# Altium PCB Theremin_Chafla-Jonathan.PcbDoc
Units mm, origin at the board's own origin, x right, y up, seen from the top; angles counter-clockwise.
Board outline 155 x 95 mm, 2 copper layers (Top Layer, Bottom Layer), stack 1.586 mm thick; 80 components, 58 nets, 312 pads, 159 vias.
Unrouted connection lines stored in the file: 2.
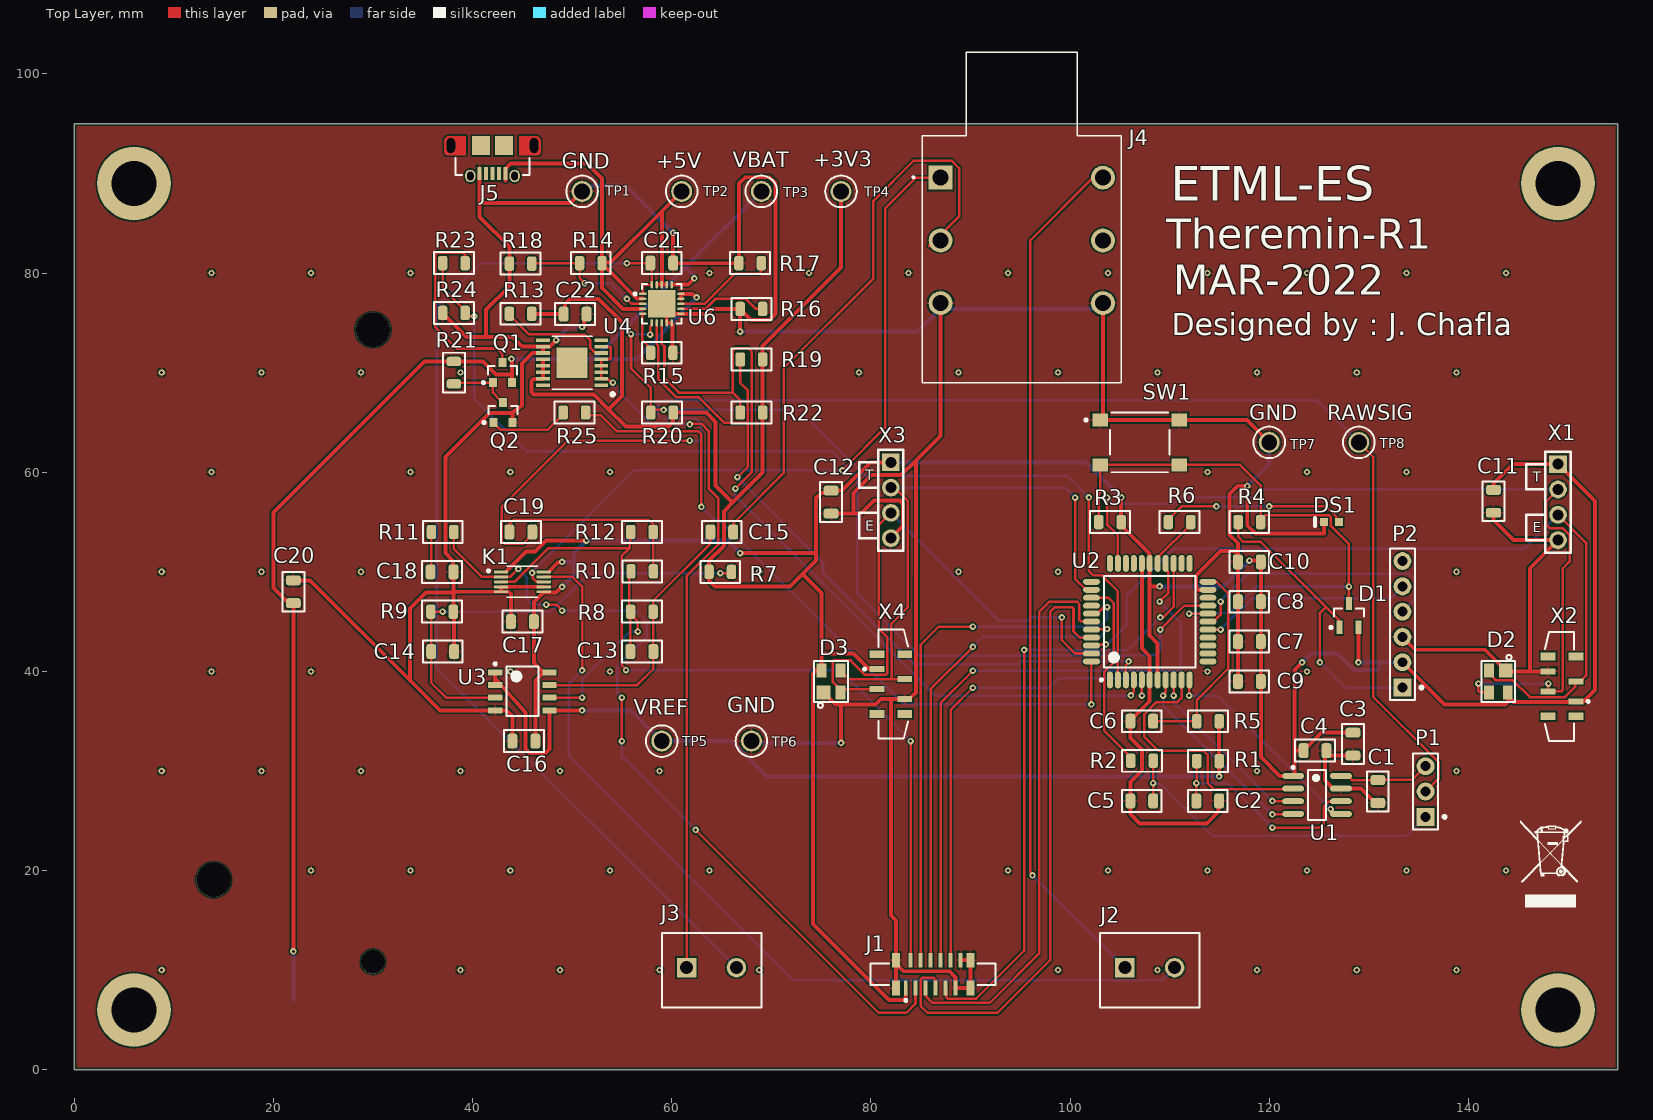
[diagram p0: Top Layer view]
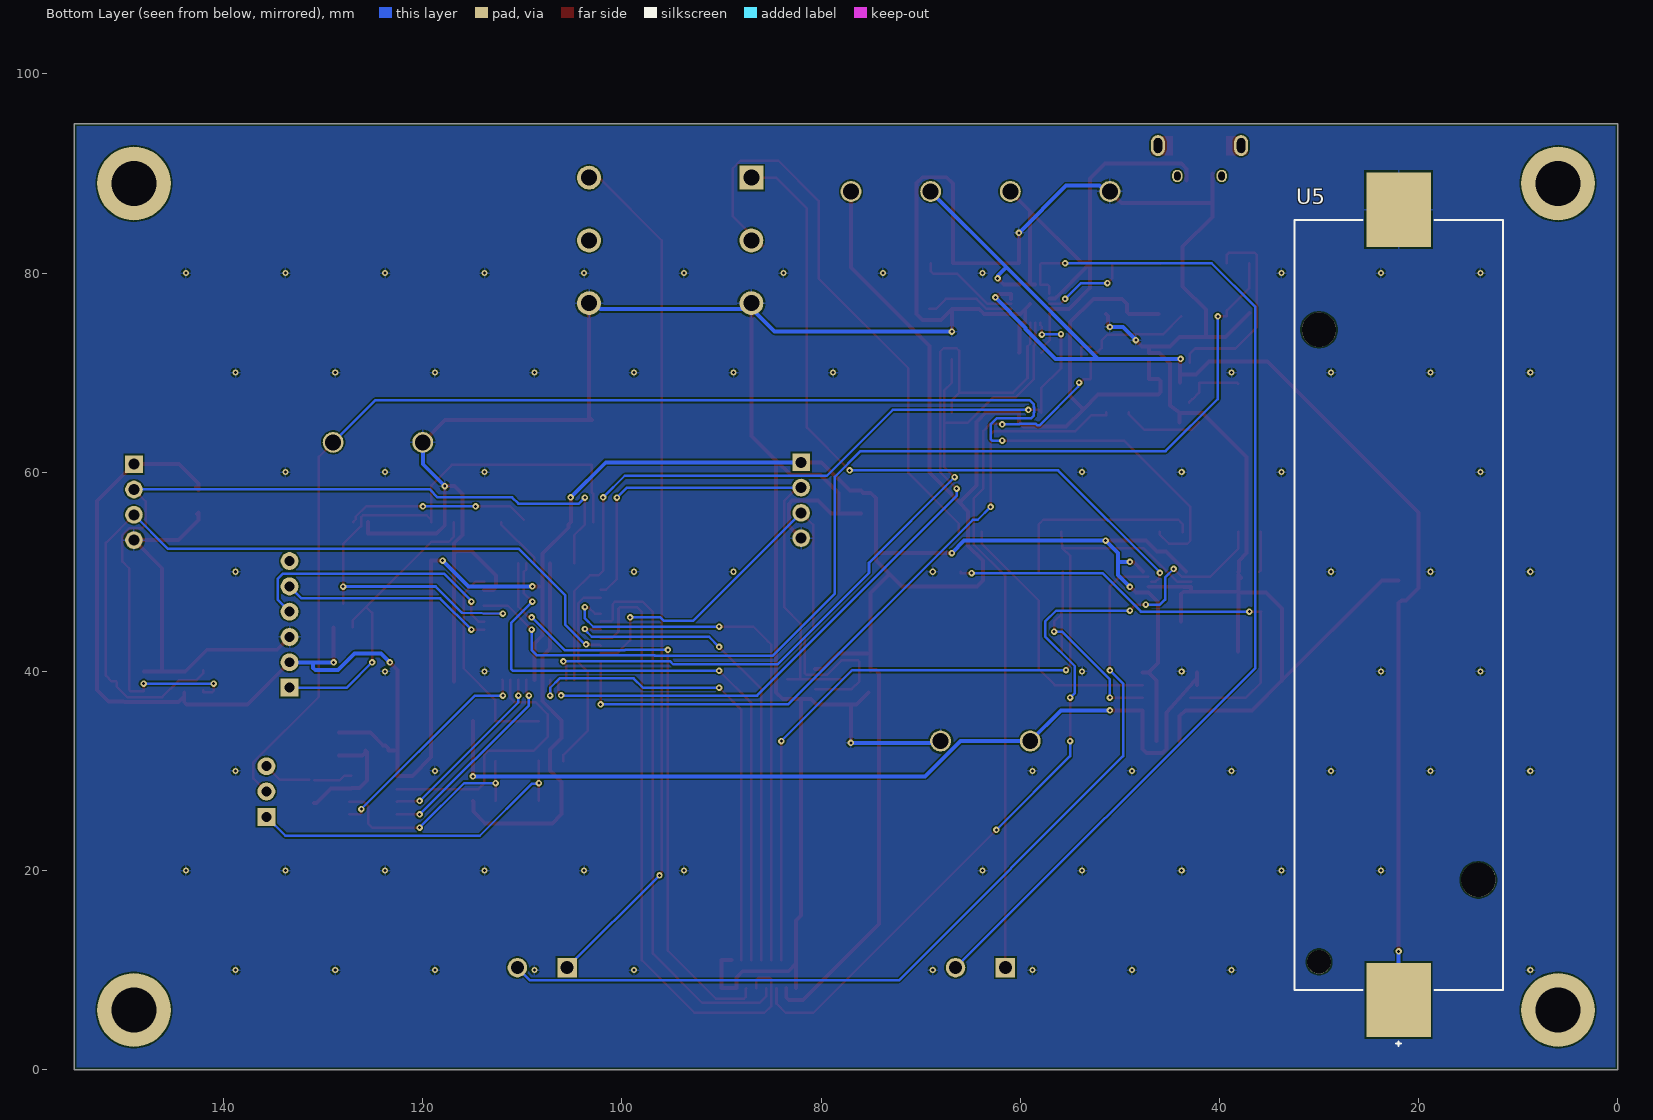
[diagram p1: Bottom Layer view, seen from below]
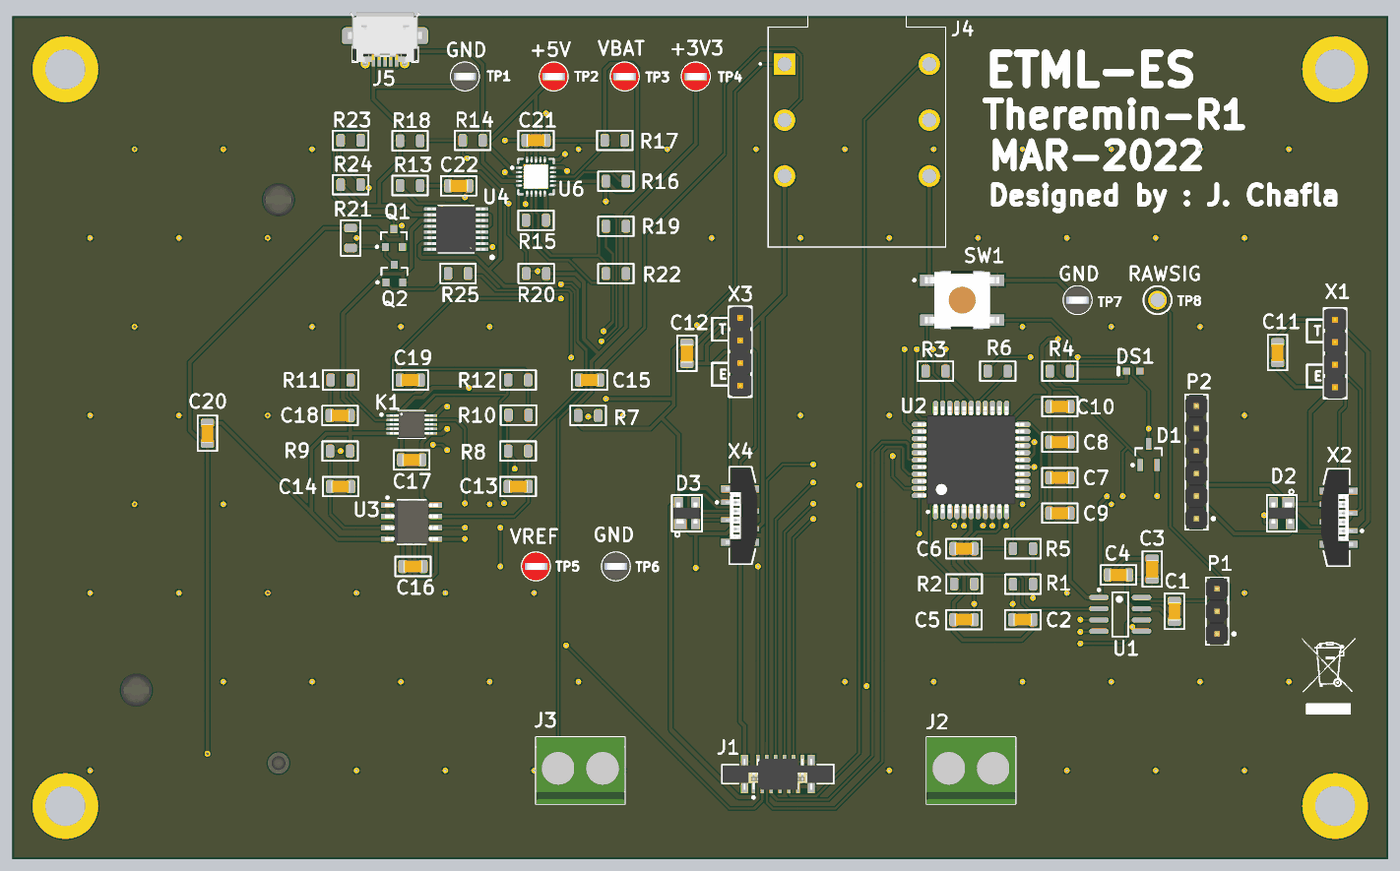
[diagram p2: 3D render of the assembled board from above, using the file's embedded part models]

## Layer stack, top to bottom
Top Solder: solder mask 0.0102, Solder Resist, Dk 3.5
Top Layer: signal copper 0.018
Dielectric1: core 1.55, FR-4, Dk 4.8
Bottom Layer: signal copper 0.018
Bottom Solder: solder mask 0.0102, Solder Resist, Dk 3.5

## Board outline
0,0 155,0 155,95 0,95

## Design rules (kind name [scope] priority, off if disabled: settings)
BoardOutlineClearance [All] p1: gap=0.25 ignorepadtopadclearanceinfootprint=FALSE except(0: Arc-SplitContinuation Track-SplitContinuation SMDPad-SplitContinuation THPad-SplitContinuation Via-SplitContinuation Fill-SplitContinuation Poly-SplitContinuation Region-SplitContinuation Text-SplitContinuation)
Clearance "Stitching No Net" [IsStitchingVia and InNet('No Net') vs (IsVia and (Not IsStitchingVia)) Or IsPad] p1: gap=0.127 ignorepadtopadclearanceinfootprint=FALSE
Clearance [All] p2: gap=0.152 ignorepadtopadclearanceinfootprint=FALSE
ComponentClearance [All] p1: gap=0.25 collisioncheckmode=3 verticalgap=0.25 showdistances=FALSE
DiffPairsRouting [All] p1: maxlimit=0.25 minlimit=0.152 mostfreqgap=0.25 toplayer_minwidth=0.381 toplayer_maxwidth=0.381 toplayer_prefwidth=0.381 bottomlayer_minwidth=0.381 bottomlayer_maxwidth=0.381 bottomlayer_prefwidth=0.381 maxuncoupledlength=12.5
Height [All] p1: minheight=0 maxheight=25 prefheight=12.5
HoleSize HoleSize-PTH [All] p1: absolutevalues=TRUE maxlimit=10 minlimit=0.25 maxpercent=80.000 minpercent=20.000
HoleToHoleClearance [All] p1: gap=0.35 allowstackedmicrovias=TRUE
MinimumAnnularRing "Minimum IAR  >0.45mm" [((ObjectKind = 'Pad') OR (ObjectKind = 'Via')) And (Layer = 'MultiLayer') And (HoleDiameter > AsMM(0.45))] p1: minimumring=0.175 // minimum inner annular ring for pads > 0.45mm finished hole size
MinimumAnnularRing "Minimum IAR <=0.45mm" [((ObjectKind = 'Pad') OR (ObjectKind = 'Via')) And (Layer = 'MultiLayer') And (HoleDiameter <= AsMM(0.45))] p2: minimumring=0.175 // minimum inner annular ring for pads <= 0.45mm finished hole size
MinimumSolderMaskSliver [All] p1: minsoldermaskwidth=0.08
PasteMaskExpansion [All] p1: expansion=-0.025
PlaneClearance PlaneClearance-IPI [All] p1: clearance=0.25
PlaneConnect [All] p1: planeconnectstyle=Relief reliefexpansion=0.175 reliefentries=4 reliefconductorwidth=0.2 reliefairgap=0.2
PolygonConnect PolygonConnect-xTW [All] p1: connectstyle=Relief reliefconductorwidth=0.2 reliefentries=4 polygonreliefangle="90 Angle" airgapwidth=0.2
RoutingCorners [All] p1: cornerstyle=45-Degree minsetback=2.5 maxsetback=2.5
RoutingTopology [All] p1: topology=Horizontal
RoutingVias [All] p1: holewidth=0.711 width=1.27 viastyle="Through Hole" minholewidth=0.711 minwidth=1.27 maxholewidth=0.711 maxwidth=1.27
SilkToSilkClearance [All] p1: silktosilkclearance=0.2
SilkToSolderMaskClearance SilkscreenOverComponentPads [IsPad] p1: minsilkscreentomaskgap=0.2 clearancetoexposedcopper=TRUE
SolderMaskExpansion [All] p1: expansion=0 istentingtop=FALSE
UnRoutedNet [All] p1: checkbadconnections=TRUE
Width Width-VREF [InNet('VREF_1V65')] p1: maxlimit=0.4 minlimit=0.4 preferedwidth=0.4 minimp=50.000000 maximp=50.000000 favimp=50.000000
Width Width-VBAT [InNet('VBAT')] p2: maxlimit=0.4 minlimit=0.4 preferedwidth=0.4 minimp=50.000000 maximp=50.000000 favimp=50.000000
Width Width-3V3 [InNet('3V3')] p3: maxlimit=0.4 minlimit=0.4 preferedwidth=0.4 minimp=50.000000 maximp=50.000000 favimp=50.000000
Width Width-GND [InNet('GND')] p4: maxlimit=0.4 minlimit=0.4 preferedwidth=0.4 minimp=50.000000 maximp=50.000000 favimp=50.000000
Width Width-POWER [InNet('+5V')] p5: maxlimit=0.4 minlimit=0.4 preferedwidth=0.4 minimp=50.000000 maximp=50.000000 favimp=50.000000
16 further rules are at their usual default settings.

## Classes and differential pairs
component class "Power Supply": +3V3 +5V C20 C21 C22 GND J5 Q1 Q2 R13 R14 R15 R16 R17 R18 R19 R20 R21 R22 R23 R24 R25 U4 U5 U6 VBAT
component class Interfaces: J1 J2 J3
component class "Distance sensors": C11 C12 D2 D3 X1 X2 X3 X4
component class Central_Unit: C1 C2 C3 C4 C5 C6 C7 C8 C9 C10 D1 DS1 GND P1 P2 R1 R2 R3 R4 R5 R6 RAWSIG SW1 U1 U2
component class "Audio processing": C13 C14 C15 C16 C17 C18 C19 GND J4 K1 R7 R8 R9 R10 R11 R12 U3 VREF

## Components (designator, comment, footprint, x,y, rotation, side; value= is the part's Value field where it differs from the comment)
+3V3 "5010" KSTN-5010_V 77,88.2 r0 top locked (schematic designator 1)
+5V "5010" KSTN-5010_V 61,88.2 r0 top locked (schematic designator +1)
C1 "1uF" CAPC0805 130.9,27.94 r270 top
C2 "100nF / 50V" CAPC0805 113.825,27 r0 top
C3 "10uF" CAPC0805 128.4,32.7 r270 top
C4 "100nF" CAPC0805 124.6,32.042 r0 top
C5 "100nF / 50V" CAPC0805 107.2,27 r180 top
C6 "100nF / 50V" CAPC0805 107.2,35 r180 top
C7 "100nF / 50V" CAPC0805 118,43 r180 top
C8 "10uF / 50V" CAPC0805 118,47 r180 top
C9 "100nF / 50V" CAPC0805 118,39 r180 top
C10 "10uF / 50V" CAPC0805 118,51 r180 top
C11 "100nF / 50V" CAPC0805 142.519,57.085 r90 top
C12 "100nF / 50V" CAPC0805 76,57 r90 top
C13 "470pF / 16V" CAPC0805 57,42 r180 top
C14 "330nF / 16V" CAPC0805 37,42 r180 top
C15 "1uF / 16V" CAPC0805 65.025,54 r180 top
C16 "100nF / 50V" CAPC0805 45.15,33 r0 top
C17 "1uF / 16V" CAPC0805 45,45 r0 top
C18 "1uF / 16V" CAPC0805 36.934,50 r180 top
C19 "1uF / 16V" CAPC0805 44.85,54 r0 top
C20 "4.7uF / 50V" CAPC0805 22,48 r270 top
C21 "Cap" CAPC0805 59,81 r180 top value=4.7uF
C22 "Cap" CAPC0805 50.3,75.882 r180 top value=6.8uF
D1 "BAS40-06" INF-SOT23_M 128,45.62 r90 top
D2 "8240136" SOT143-4L 143,39 r270 top
D3 "8240136" SOT143-4L 76,39 r90 top
DS1 "HSMH-C190" AVAG-HSMX-C190_V 126.25,55 r180 top
GND "5011" KSTN-5011_V 51,88.2 r0 top locked (schematic designator GND3)
GND "5011" KSTN-5011_V 120,63 r180 top (schematic designator GND2)
GND "5011" KSTN-5011_V 68,33.006 r0 top (schematic designator GND1)
J1 "687312124422" 687312124422 86.25,9.6 r0 top
J2 "691137710002" 691137710002 108,10 r0 top
J3 "691137710002" 691137710002 64,10 r0 top
J4 "SJ-63073E" CUI_SJ-63073E 95.15,89.579 r270 top
J5 "629105150921" 629105150921 42,92.805 r180 top
K1 "MAX9700" SOP50P490X110-10N 45,49 r0 top
P1 "Header 3" PIN-1x03_2.54 135.7,25.4 r90 top
P2 "Header 6" PIN-1x06_2.54 133.375,38.38 r90 top
Q1 "NVR1P02T1G" ONSC-SOT-23-3-318-08_V 43,70 r90 top
Q2 "BSS138LT1G" ONSC-SOT-23-3-318-08_V 43.05,66 r90 top
R1 "10k" RESC0805 113.85,31 r0 top
R2 "2k" RESC0805 107.225,31.026 r180 top
R3 "47k" RESC0805 104,55 r180 top
R4 "10k" RESC0805 118,55 r180 top
R5 "10k" RESC0805 113.85,35 r0 top
R6 "100" RESC0805 111,55 r180 top
R7 "120K" RESC0805 64.875,50 r180 top
R8 "33k" RESC0805 57,46 r180 top
R9 "120K" RESC0805 36.938,46 r180 top
R10 "120K" RESC0805 57.035,50.05 r0 top
R11 "22K" RESC0805 37,54 r180 top
R12 "22K" RESC0805 57,54 r0 top
R13 "VALUE" RESC0805 44.825,75.915 r0 top value=47k
R14 "VALUE" RESC0805 51.875,81 r0 top value=10k
R15 "VALUE" RESC0805 59,72 r180 top value=10k
R16 "VALUE" RESC0805 68,76.4 r0 top value=6.2k
R17 "VALUE" RESC0805 67.875,81 r0 top value=2k
R18 "VALUE" RESC0805 44.825,80.95 r0 top value=0R
R19 "VALUE" RESC0805 68,71.325 r0 top value=47k
R20 "VALUE" RESC0805 59.025,66 r0 top value=47k
R21 "VALUE" RESC0805 38.125,70 r270 top value=47k
R22 "VALUE" RESC0805 68,66 r0 top value=47k
R23 "VALUE" RESC0805 38.125,81 r0 top value=47k
R24 "VALUE" RESC0805 38.125,76 r0 top value=47k
R25 "VALUE" RESC0805 50.225,66 r180 top value=100R
RAWSIG "5012" KSTN-5012_V 129,63 r180 top (schematic designator RAWSIG1)
SW1 "PTS645SM43SMTR92LFS" FP-PTS645SM43SMTR92LFS-MFG 107,63 r0 top
U1 "MCP4901-E/SN" SOIC-SN8_N 124.8,27.6 r0 top
U2 "PIC18F4550-I/PT" TQFP80P1200X1200X120-44M 108,45 r90 top
U3 "LM6132BIM" D0008A_N 45,38 r0 top
U4 "MAX1793EUE33+" 21-0108_U16E+3_MXM 50,71 r180 top
U5 "Support Pile 18650" FP-1042P-MFG 22,46.688 r270 bottom
U6 "MCP73871T-2CCI/ML" FP-C04-126-IPC_C 59,76.914 r0 top
VBAT "5010" KSTN-5010_V 69,88.2 r0 top locked (schematic designator VBAT1)
VREF "5010" KSTN-5010_V 59,33.006 r0 top (schematic designator VREF1)
X1 "Header 4" "Connnector Berg 4P" 149,57 r0 top locked
X2 "686104183822" 686104183822 149.4,38.5 r90 top
X3 "Header 4" "Connnector Berg 4P" 82,57.19 r0 top locked
X4 "686104183822" 686104183822 82,38.725 r270 top

## Footprints (in the part's own frame and the unit in brackets; to place one, negate y for a bottom-side part, rotate by r counter-clockwise, add the part's x,y. Pads: shape width x height; smd on the part's side, far side on the other; paste and mask are expansions set on the pad)
21-0108_U16E+3_MXM [mil]
  rect 53.5x14 smd paste+0 mask+0: 1(-115.25,89.57) 2(-115.25,63.98) 3(-115.25,38.38) 4(-115.25,12.79) 5(-115.25,-12.8) 6(-115.25,-38.39) 7(-115.25,-63.98) 8(-115.25,-89.57) 9(115.25,-89.57) 10(115.25,-63.98) 11(115.25,-38.39) 12(115.25,-12.8) 13(115.25,12.79) 14(115.25,38.38) 15(115.25,63.97) 16(115.25,89.57)
  rect 122x122 smd paste-60.5 mask+0: EPAD(0,0)
  silkscreen extent -165,-106 79,130, body extent -128,-101 128,101, height 43
629105150921 [mm] "Micro USB 2.0 Type AB Horizontal"
  rect 0.4x1.35 smd: 1(-1.3,2.805) 2(-0.65,2.805) 3(0,2.805) 4(0.65,2.805) 5(1.3,2.805)
  round 0 / inner oval 1.4x2.1 / far side oval 1.4x2.1 hole 0.825 slot 1.5 at 90 deg mask+0.102: Shell(-4.175,0)
  oval 1.05x1.25 hole 0.65 slot 0.85 at 90 deg: Shell(-2.225,3.055) Shell(2.225,3.055)
  rect 1.8x1.9 smd: Shell(-1.15,0) Shell(1.15,0)
  round 0 / inner round 0 / far side oval 1.4x2.1 hole 0.825 slot 1.5 at 90 deg mask+0.102: Shell(4.175,0)
  Top Layer region: 4.353,-0.95 4.544,-0.912 4.706,-0.804 4.814,-0.641 4.852,-0.45 4.852,-0.45 4.852,0.65 4.83,0.765 4.765,0.862 4.667,0.927 4.553,0.95 4.553,0.95 2.668,0.95 2.668,-0.95
  Top Layer region: -4.353,-0.95 -4.544,-0.912 -4.706,-0.804 -4.814,-0.641 -4.852,-0.45 -4.852,-0.45 -4.852,0.65 -4.83,0.765 -4.765,0.862 -4.667,0.927 -4.553,0.95 -4.553,0.95 -2.668,0.95 -2.668,-0.95
  silkscreen extent -3.7,1.25 3.7,2.97, body extent -4.3,-2.64 4.3,3.23, height 2.76
686104183822 [mm] "ZIF Connectors, Vertical, Type A, pitch 1mm, 4p"
  rect 0.6x1.5 smd: 1(-1.5,-1.4) 2(-0.5,1.4) 3(0.5,-1.4) 4(1.5,1.4)
  rect 0.8x1.5 smd: MP1(-3,-1.4) MP2(-3,1.4) MP3(3,1.4) MP4(3,-1.4)
  silkscreen extent -5.48,-2.75 5.47,1.71, body extent -5.4,-1.65 5.4,1.95, height 4
687312124422 [mm] "ZIF Connectors, Vertical, Type A, pitch 0.5mm, 12p"
  rect 0.4x1.5 smd: 1(-2.75,-1.4) 2(-2.25,1.4) 3(-1.75,-1.4) 4(-1.25,1.4) 5(-0.75,-1.4) 6(-0.25,1.4) 7(0.25,-1.4) 8(0.75,1.4) 9(1.25,-1.4) 10(1.75,1.4) 11(2.25,-1.4) 12(2.75,1.4)
  rect 0.8x1.5 smd: MP1(-3.75,-1.4) MP2(-3.75,1.4) MP3(3.75,-1.4) MP4(3.75,1.4)
  silkscreen extent -6.27,-2.75 6.27,1.08, body extent -6.2,-1.75 6.2,1.75, height 4.92
691137710002 [mm] "Horizontal Cable Entry with Pressure Clamp, pitch 5mm, 02p"
  rect 1.95x1.95 hole 1.3: 1(-2.5,0.25)
  round 1.95 hole 1.3: 2(2.5,0.25)
  silkscreen extent -5,-3.75 5,3.75, body extent -5,-3.75 5,3.75, height 11.6
AVAG-HSMX-C190_V [mm] "SMD, 2-Leads, Body 1.6x0.8mm, Height 0.9mm"
  rect 0.8x0.8 smd: 1(-0.75,0) 2(0.75,0)
  silkscreen extent 1.65,-0.4 1.65,0.4, body extent -0.8,-0.4 0.8,0.4, height 0.9
CAPC0805 [mm] "Chip Capacitor, 2-Leads, Body 2.00x1.25mm, IPC Low Density"
  rrect50% 1x1.5 smd: 1(-1.15,0) 2(1.15,0)
  silkscreen extent -2,-1.1 2,1.1, body extent -1.05,-0.67 1.05,0.68, height 0.6
"Connnector Berg 4P" [mil]
  rect 70x70 hole 43.31: 1(0,150)
  round 70 hole 43.31: 2(0,50) 3(0,-50) 4(0,-150)
  silkscreen extent -125,-200 50,200, body extent -50,-200 50,200, height 338
CUI_SJ-63073E [mm]
  rect 2.4x2.4 hole 1.6: 1(0,-8.15)
  round 2.4 hole 1.6: 2(12.6,-8.15) 3(6.3,-8.15) 4(0,8.15) 5(12.6,8.15) 6(6.3,8.15)
  silkscreen extent -12.6,-10.98 20.6,10, body extent -12.54,-10.16 20.66,9.84, height 15.71
D0008A_N [mm] "SOIC, 8-Leads, Body 5x4mm, Pitch 1.27mm, IPC Medium Density"
  rrect17% 1.45x0.6 smd: 1(-2.725,1.905) 2(-2.725,0.635) 3(-2.725,-0.635) 4(-2.725,-1.905) 5(2.725,-1.905) 6(2.725,-0.635) 7(2.725,0.635) 8(2.725,1.905)
  silkscreen extent -2.85,-2.5 1.6,2.88, body extent -3,-2.45 3,2.45, height 1.63
FP-1042P-MFG [mil]
  rect 294x255 smd paste+0 mask+0: 1(-1562.5,0) 2(1562.5,0)
  round 135.83 hole 135.83 unplated paste-39370.1 mask+0: ""(-1087.5,-315) ""(1087.5,315)
  round 94 hole 94 unplated paste-39370.1 mask+0: ""(1411.5,-315)
  silkscreen extent -1522,-412 1745,411, body extent -1693,-407 1693,406, height 714
FP-C04-126-IPC_C [mm]
  rect 0.729x0.239 smd paste+0 mask+0: 1(-1.915,1)
  rrect100% 0.729x0.239 smd paste+0 mask+0: 2(-1.915,0.5) 3(-1.915,0) 4(-1.915,-0.5) 5(-1.915,-1) 11(1.915,-1) 12(1.915,-0.5) 13(1.915,0) 14(1.915,0.5) 15(1.915,1)
  rrect100% 0.239x0.729 smd paste+0 mask+0: 6(-1,-1.914) 7(-0.5,-1.914) 8(0,-1.914) 9(0.5,-1.914) 10(1,-1.914) 16(1,1.915) 17(0.5,1.915) 18(0,1.915) 19(-0.5,1.915) 20(-1,1.915)
  rect 2.8x2.8 smd paste-1000 mask+0: 21(0,0)
  silkscreen extent -2.8,-2 2,2, body extent -2,-2 2,2, height 1
FP-PTS645SM43SMTR92LFS-MFG [mm]
  rect 1.55x1.3 smd paste+0 mask+0: 1(-3.975,2.25) 2(3.975,2.25) 3(-3.975,-2.25) 4(3.975,-2.25)
  silkscreen extent -5.52,-3 3,3, body extent -4.2,-3.3 4.2,3.3, height 2.5
INF-SOT23_M [mm] "SOT23, 3-Leads, Body 2.9x1.3 mm, Pitch 0.95 mm, IPC Low Density"
  rect 1.35x0.6 smd: 1(-1.2,0.95) 2(-1.2,-0.95) 3(1.2,0)
  silkscreen extent -1.32,-1.5 0.7,1.92, body extent -0.7,-1.5 0.7,1.5, height 1.1
KSTN-5010_V [mm] "Test Point, Dia 3.17mm"
  round 2.1 hole 1.6: 1(0,0)
  silkscreen extent -1.59,-1.58 1.59,1.58, body extent -1.59,-1.59 1.59,1.59, height 8.13
KSTN-5011_V [mm] "Test Point, Dia 3.17mm"
  round 2.1 hole 1.6: 1(0,0)
  silkscreen extent -1.59,-1.58 1.59,1.58, body extent -1.59,-1.59 1.59,1.59, height 8.13
KSTN-5012_V [mm] "Test Point, Dia 3.17mm"
  round 2.1 hole 1.6: 1(0,0)
  silkscreen extent -1.59,-1.58 1.59,1.58, body extent -1.59,-1.59 1.59,1.59, height 8.13
ONSC-SOT-23-3-318-08_V [mm] "SOT23, 3-Leads, Body 2.92x1.3mm, Pitch 0.95mm"
  rect 0.9x0.8 smd: 1(-1,0.95) 2(-1,-0.95) 3(1,0)
  silkscreen extent -1.12,-1.46 0.65,2.02, body extent -0.65,-1.46 0.65,1.46, height 1.11
PIN-1x03_2.54 [mm] ".025 SQ Post Terminal Strip Assembly, 1x3 Pins, Vertical, 2.54mm Pitch, Male"
  rect 1.8x1.8 hole 1: 1(0,0)
  round 1.8 hole 1: 2(2.54,0) 3(5.08,0)
  silkscreen extent -1.25,-2.05 6.35,1.27, body extent -1.27,-1.27 6.35,1.27, height 8.6
PIN-1x06_2.54 [mm] ".025 SQ Post Terminal Strip Assembly, 1x6 Pins, Vertical, 2.54mm Pitch, Male"
  rect 1.8x1.8 hole 1: 1(0,0)
  round 1.8 hole 1: 2(2.54,0) 3(5.08,0) 4(7.62,0) 5(10.16,0) 6(12.7,0)
  silkscreen extent -1.25,-2.05 13.97,1.27, body extent -1.27,-1.27 13.97,1.27, height 8.6
RESC0805 [mm] "Chip Resistor, 2-Leads, Body 2.00x1.25mm, IPC Low Density"
  rrect50% 0.95x1.45 smd: 1(-1.125,0) 2(1.125,0)
  silkscreen extent -2,-1.1 2,1.1, body extent -1.05,-0.67 1.05,0.67, height 0.6
SOIC-SN8_N [mm] "SOIC, 8-Leads, Body 4.9x3.9mm, Pitch 1.27mm, IPC Medium Density"
  oval 2.2x0.6 smd: 1(-2.4,1.905) 2(-2.4,0.635) 3(-2.4,-0.635) 4(-2.4,-1.905) 5(2.4,-1.905) 6(2.4,-0.635) 7(2.4,0.635) 8(2.4,1.905)
  silkscreen extent -2.52,-2.5 0.9,2.88, body extent -2,-2.5 2,2.5, height 1.75
SOP50P490X110-10N [mm]
  rrect50% 1.44x0.3 smd: 1(-2.145,1) 2(-2.145,0.5) 3(-2.145,0) 4(-2.145,-0.5) 5(-2.145,-1) 6(2.145,-1) 7(2.145,-0.5) 8(2.145,0) 9(2.145,0.5) 10(2.145,1)
  silkscreen extent -3.5,-1.55 1.55,1.55, body extent -2.45,-1.5 2.45,1.5, height 1.1
SOT143-4L [mm] "SOT143-4L, 4-Leads, Body 2.95x2.4mm, Pitch 1.70/1.90mm"
  rect 1.4x1.4 smd: 1(-1.1,0.75)
  rect 1.4x1 smd: 2(-1.1,-0.95) 3(1.1,-0.95) 4(1.1,0.95)
  silkscreen extent -2.66,-1.7 2.05,1.7, body extent -1.2,-1.46 1.2,1.46, height 1.03
TQFP80P1200X1200X120-44M [mm] "TQFP, 44-Leads, Body 10,00x10,00mm, Pitch 0,80mm, IPC Low Density"
  oval 1.7x0.6 smd: 1(-5.85,4) 2(-5.85,3.2) 3(-5.85,2.4) 4(-5.85,1.6) 5(-5.85,0.8) 6(-5.85,0) 7(-5.85,-0.8) 8(-5.85,-1.6) 9(-5.85,-2.4) 10(-5.85,-3.2) 11(-5.85,-4) 23(5.85,-4) 24(5.85,-3.2) 25(5.85,-2.4) 26(5.85,-1.6) 27(5.85,-0.8) 28(5.85,0) 29(5.85,0.8) 30(5.85,1.6) 31(5.85,2.4) 32(5.85,3.2) 33(5.85,4)
  oval 0.6x1.7 smd: 12(-4,-5.85) 13(-3.2,-5.85) 14(-2.4,-5.85) 15(-1.6,-5.85) 16(-0.8,-5.85) 17(0,-5.85) 18(0.8,-5.85) 19(1.6,-5.85) 20(2.4,-5.85) 21(3.2,-5.85) 22(4,-5.85) 34(4,5.85) 35(3.2,5.85) 36(2.4,5.85) 37(1.6,5.85) 38(0.8,5.85) 39(0,5.85) 40(-0.8,5.85) 41(-1.6,5.85) 42(-2.4,5.85) 43(-3.2,5.85) 44(-4,5.85)
  silkscreen extent -5.97,-4.6 4.6,4.97, body extent -6,-6 6,6, height 1.2

## Part data
+3V3 +5V VBAT VREF: library part CMP-1672-00002-4, "Test Point, Red, Through Hole, RoHS, Bulk", Colour=Red, Manufacturer=Keystone, Package Quantity=100, ComponentLink1Description="Manufacturer URL", ComponentLink1URL=http://www.keyelco.com/, ComponentLink2Description=Datasheet, ComponentLink2URL=http://www.keyelco.com/product-pdf.cfm?p=1319, Contact Material=Bronze, Contact Plating=Silver, DatasheetVersion="Rev. F, 12/2013", Height="8.12 mm", Mount="Through Hole", Mounting Technology="Through Hole", PackageDescription="1-Pin Through Hole Device, Dia 3.17 mm", PackageReference=5010, Packaging=Bulk, Pins=1, REACH SVHC="No SVHC", RoHSCompliant=true
C1 C2 C3 C4 C5 C6 C7 C8 C9 C10 C11 C12 C13 C14 C15 C16 C17 C18 C19 C20: library part Cap, "Capacitor", LatestRevisionDate=17-Jul-2002, LatestRevisionNote="Re-released for DXP Platform.", PackageDescription="Radial Cap, Thru-Hole; 2 Leads; 0.3 in Pin Spacing", PackageReference=RAD-0.3, Published=8-Jun-2000, Publisher="Altium Limited"
C21 C22: "Capacitor", LatestRevisionDate=17-Jul-2002, LatestRevisionNote="Re-released for DXP Platform.", PackageDescription="Radial Cap, Thru-Hole; 2 Leads; 0.3 in Pin Spacing", PackageReference=RAD-0.3, Published=8-Jun-2000, Publisher="Altium Limited", Tension=10V
D1: library part CMP-1182-00022-1, "Silicon Schottky Diode, -55 to 150 degC, SOT23, Reel, Green", Manufacturer=Infineon, ComponentLink1Description="Manufacturer URL", ComponentLink1URL=http://www.infineon.com/, ComponentLink2Description=Datasheet, ComponentLink2URL=http://www.infineon.com/dgdl/bas40_bas140series.pdf?folderId=db3a30431400ef68011425f1ca2505e3&fileId=db3a304314dca389011518a57ed20e11, ComponentLink3Description="Package Specification", ComponentLink3URL=http://www.infineon.com/dgdl/SOT23-Package_Overview.pdf?folderId=db3a30431936bc4b0119532290053c66&fileId=db3a30431936bc4b0119533468123c85, Configuration=Dual, CT (max)="5Â pF", Green=TRUE, IF (max)="120Â mA", Mounting Technology="Surface Mount", PackageDescription="3-Pin Small Outline Transistor Package, 1.3 x 2.9 mm Body, 0.95 mm Pitch", PackageReference=SOT23, PackageVersion=Apr-08, Packing=Reel, PartNumber=BAS40-06, VF (max)="1,000Â mV", VR (max)="40Â V"
D2 D3: library part CMP-1486-00002-1, "TVS Diode WE-TVS-HS, VRWM=3.3V", Manufacturer="Wuerth Elektronik", Reverse Stand Off Voltage=3.3V, Supplier Part Number 1=732-4472-1-ND, ComponentLink1Description="Manufacturer URL", ComponentLink1URL=http://www.we-online.com, ComponentLink2Description=Datasheet, ComponentLink2URL=http://katalog.we-online.de/kataloge/eisos/media/pdf/8240136.pdf, PackageReference=SOT143-4L, PartNumber=8240136, Supplier 1=Digi-Key
DS1: library part CMP-1744-00004-1, "LED Uni-Color Red, 65 mW, 20 mA, -40 to 85 degC, 2-Pin SMD, RoHS, Tape and Reel", Current Rating="1 A", Max Operating Temperature="85 degC", Min Operating Temperature="-30 degC", Package Quantity=2000, ComponentLink1Description="Manufacturer URL", ComponentLink1URL=http://www.avagotech.com/, ComponentLink2Description=Datasheet, ComponentLink2URL=http://docs.avagotech.com/docs/AV02-0551EN, ComponentLink3Description="Package Specification", ComponentLink3URL=http://www.fairchildsemi.com/dwg/MA/MA03D.pdf, Connector Type=USB, Contact Material=Copper, Contact Plating=Gold, DatasheetVersion=Mar-12, Gender=Male, Height="2.8 mm", Lead Pitch="0.65 mm", Length="7.5 mm", Mount="Surface Mount", PackageDescription="2-Pin Surface Mount Device, Body 1.6 x 0.8 mm, Height 0.9 mm", PackageReference=HSMX-C190, Packaging="Tape and Reel", Pins=5, REACH SVHC="No SVHC", RoHSCompliant=true, Width="5.6 mm"